# Altium PCB MCISO-P01-V03.PcbDoc
Units mil, origin at the board's own origin, x right, y up, seen from the top; angles counter-clockwise.
Board outline 3153.54 x 4271.65 mil, 2 copper layers (Top Layer, Bottom Layer), stack 61.8 mil thick; 113 components, 80 nets, 444 pads, 6 vias.
Unrouted connection lines stored in the file: 299.
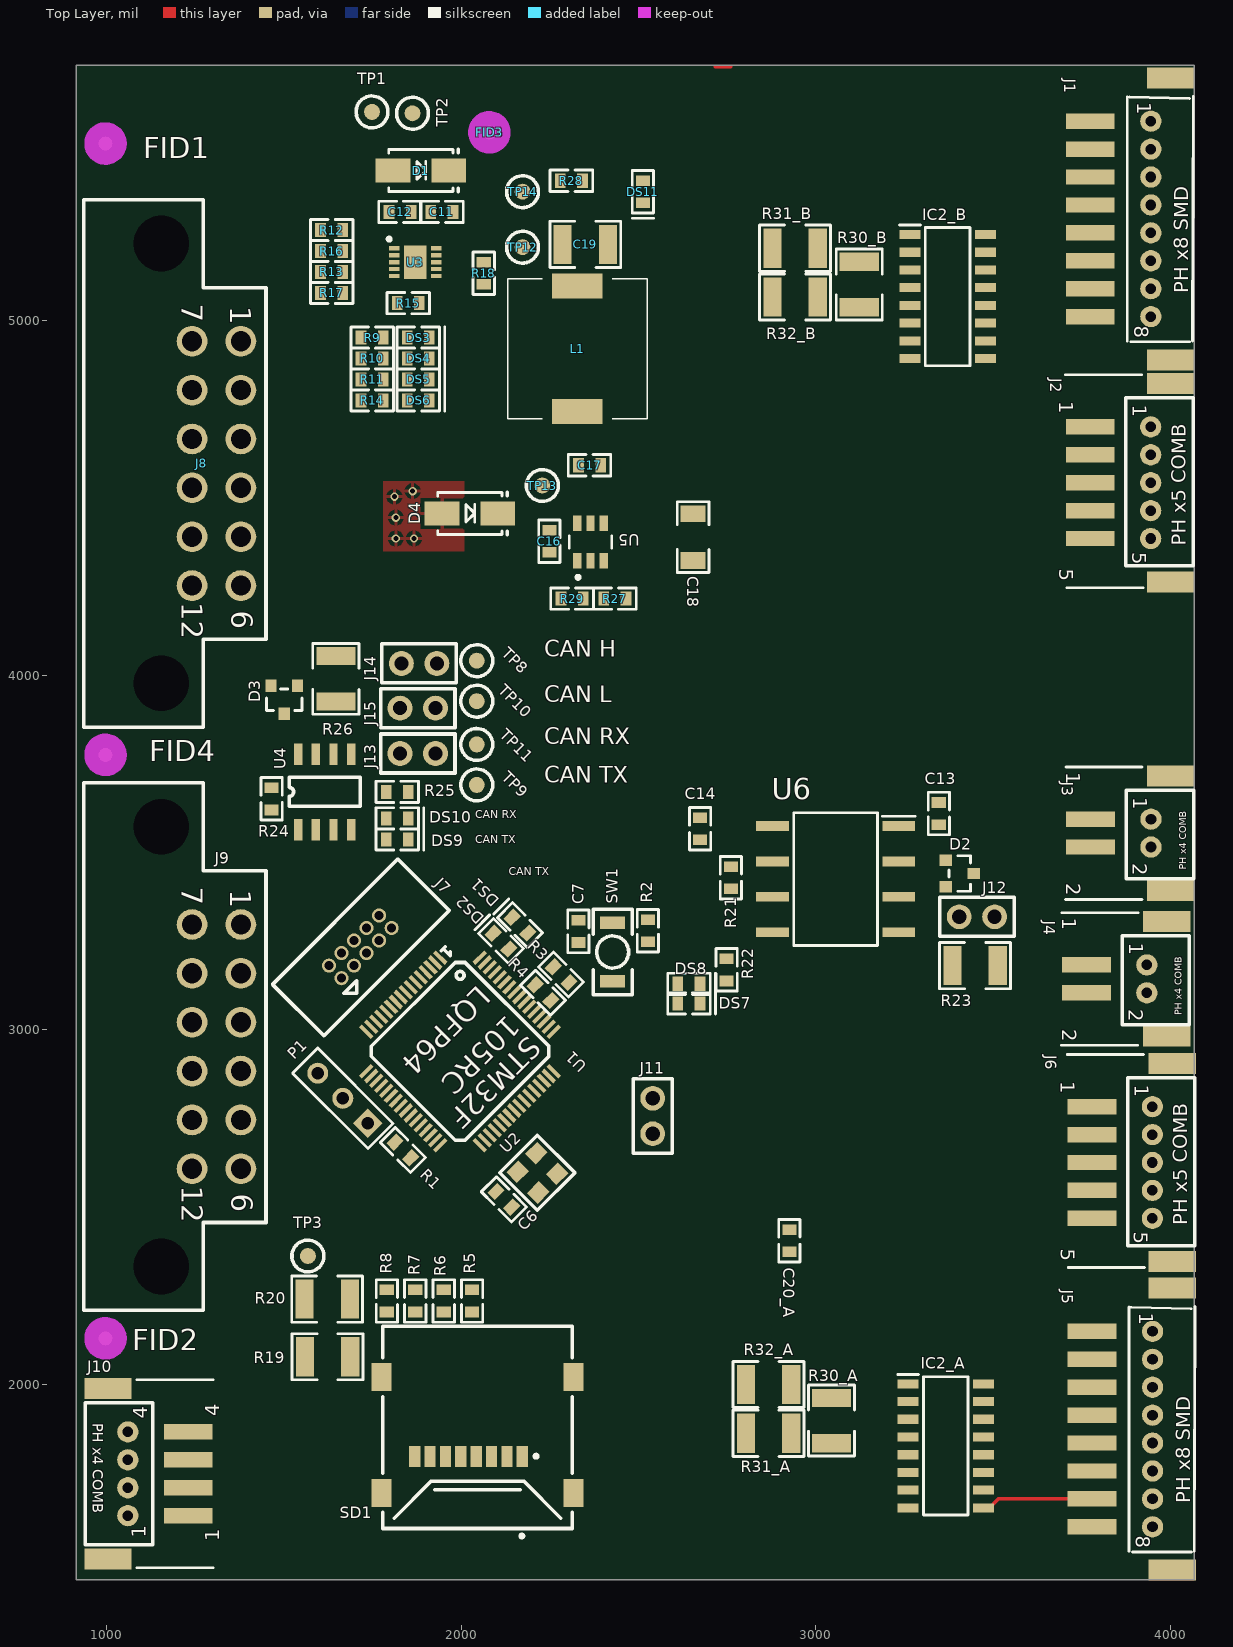
[diagram p0: Top Layer view]
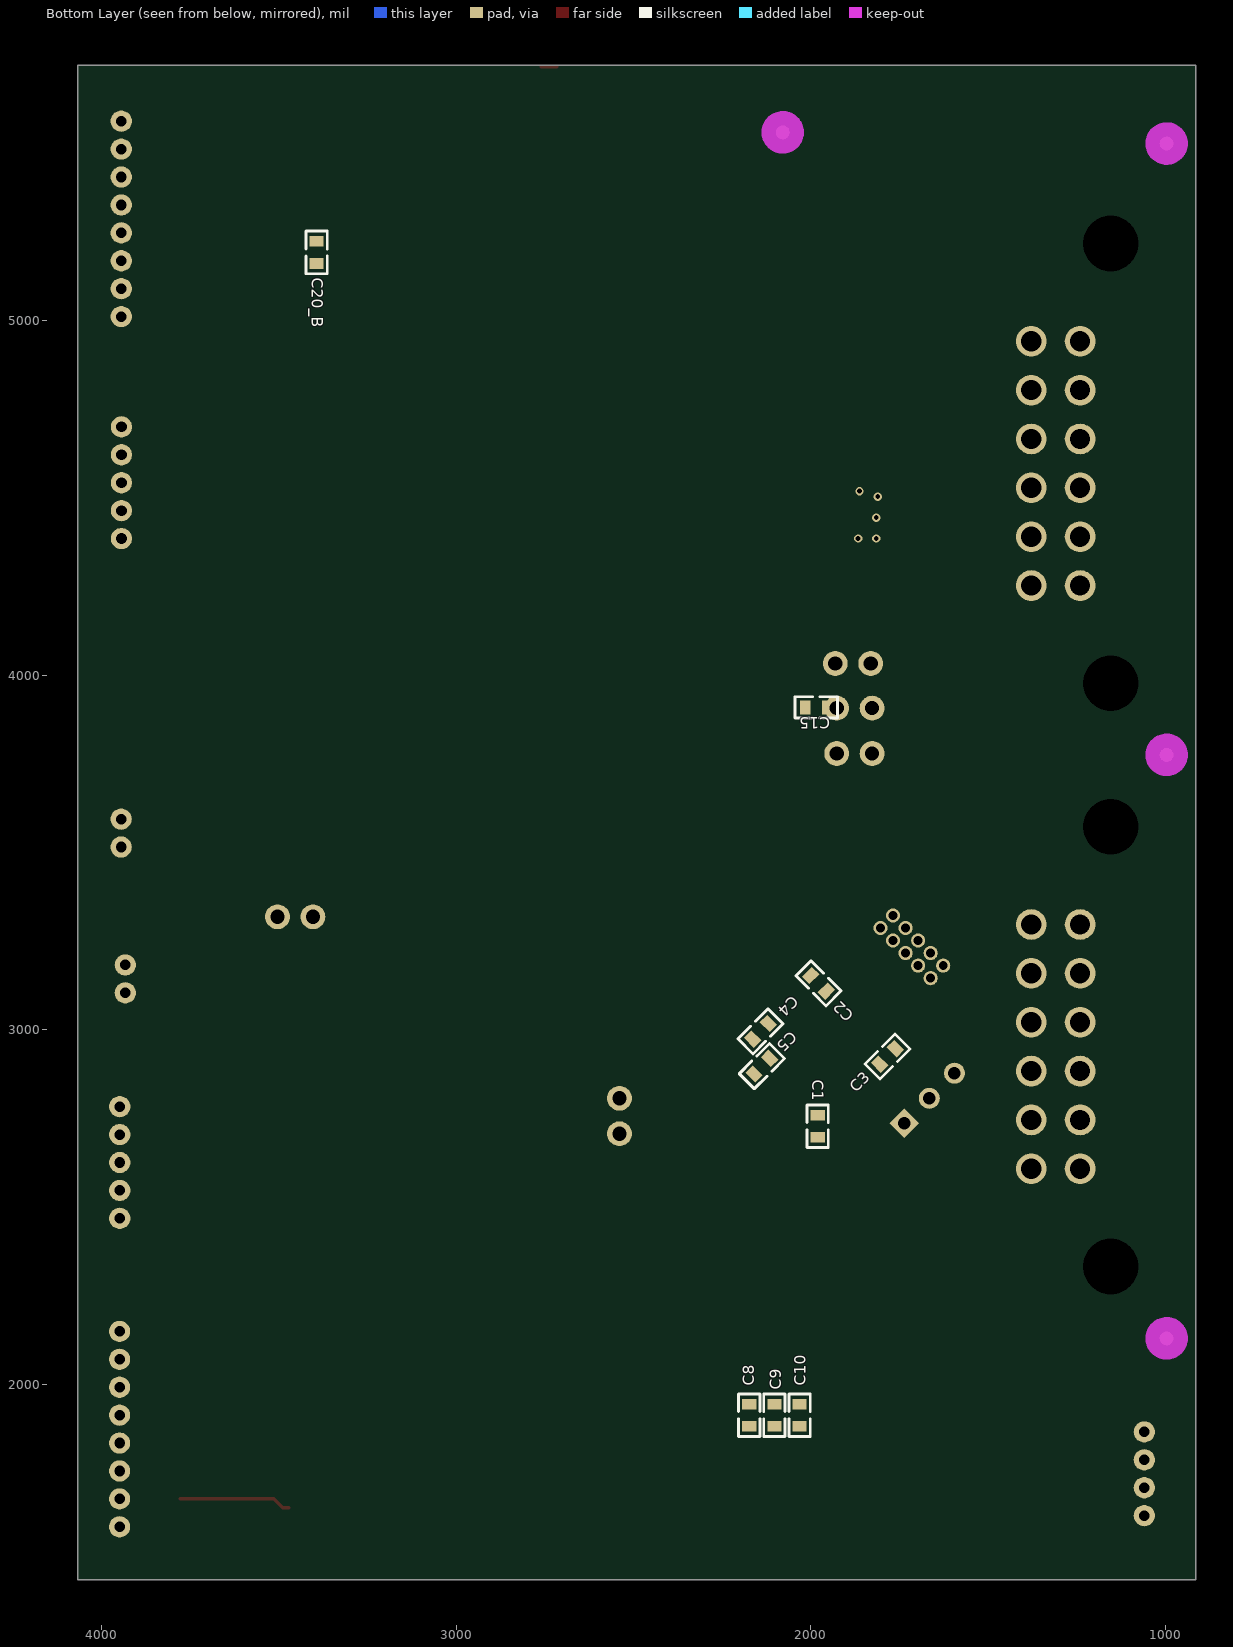
[diagram p1: Bottom Layer view, seen from below]

## Layer stack, top to bottom
Top Solder: solder mask 0.4, Solder Resist, Dk 3.5
Top Layer: signal copper 1.4
Dielectric 1: core 59, Core-043, Dk 4.3
Bottom Layer: signal copper 1.4
Bottom Solder: solder mask 0.4, Solder Resist, Dk 3.5

## Board outline
913.39,1448.82 4066.93,1448.82 4066.93,5720.47 913.39,5720.47

## Design rules (kind name [scope] priority, off if disabled: settings)
Clearance [All] p1: gap=10 ignorepadtopadclearanceinfootprint=FALSE except(0: Arc-Hole Track-Hole SMDPad-Hole THPad-Hole Via-Hole Fill-Hole Poly-Hole Region-Hole Text-Hole; 6: SMDPad-SMDPad; 7: Arc-SMDPad Track-SMDPad)
PolygonConnect [All] p1: connectstyle=Relief reliefconductorwidth=10 reliefentries=4 polygonreliefangle="90 Angle" airgapwidth=10
RoomDefinition B [InComponentClass('B')] p1: confinementstyle=ConfineIn formatcopy=TRUE lockcomponents=FALSE outline 2830.71,4856.68 3531.5,4856.68 3531.5,5326.77 2830.71,5326.77
RoutingVias [All] p1: holewidth=13.78 width=23.62 viastyle="Through Hole" minholewidth=13.78 minwidth=23.62 maxholewidth=13.78 maxwidth=23.62
SolderMaskExpansion [All] p1: expansion=4 istentingtop=FALSE
Width [All] p1: maxlimit=10 minlimit=10 preferedwidth=10
30 further rules are at their usual default settings.

## Classes and differential pairs
component class B: C20_B IC2_B R30_B R31_B R32_B
component class A: C20_A IC2_A R30_A R31_A R32_A
channel class MCISO-S06-V00-HALL_DIFFB: "DIFF A" "DIFF B"
component class U_MCISO-S07-V00-Master-PSU3V3-300mA: C16 C17 C18 C19 D4 DS11 L1 R27 R28 R29 TP12 TP13 TP14 U5
component class U_MCISO-S03-V00-CAN_MAIN: C15 D3 DS9 DS10 J13 J14 J15 R24 R25 R26 TP8 TP9 TP10 TP11 U4
component class U_MCISO-S02-V00-12VProtection: C8 C9 C10 C11 C12 D1 DS3 DS4 DS5 DS6 J8 J9 J10 R5 R6 R7 R8 R9 R10 R11 R12 R13 R14 R15 R16 R17 R18 R19 R20 SD1 TP1 TP2 TP3 U3
component class U_MCISO-S05-V00-CANIsolation: C13 C14 D2 DS7 DS8 J11 J12 R21 R22 R23 U6
component class U_MCISO-S04-V00-Microcontroller: C1 C2 C3 C4 C5 C6 C7 DS1 DS2 J7 P1 R1 R2 R3 R4 SW1 U1 U2
component class MCISO-S01-V00-Master: Connector? FID1 FID2 FID3 FID4 J1 J2 J3 J4 J5 J6 LOGO1 NCM?

## Components (designator, comment, footprint, x,y, rotation, side; value= is the part's Value field where it differs from the comment)
C1 "100nF" CAP_CERAMIC_0603 1980.31,2728.35 r270 bottom
C2 "100nF" CAP_CERAMIC_0603 1977.91,3131.46 r45 bottom
C3 "100nF" CAP_CERAMIC_0603 1783.46,2925.2 r135 bottom
C4 "100nF" CAP_CERAMIC_0603 2141.73,2996.06 r315 bottom
C5 "4u7" CAP_CERAMIC_0603 2137.8,2897.64 r315 bottom
C6 "100nF 100V" CAP_CERAMIC_0603 2119.64,2522.09 r135 top
C7 "100nF 100V" CAP_CERAMIC_0603 2330.01,3277.73 r90 top
C8 "4u7" CAP_CERAMIC_0603 2173.23,1913.39 r270 bottom
C9 "1uF" CAP_CERAMIC_0603 2102.36,1913.39 r270 bottom
C10 "100nF" CAP_CERAMIC_0603 2031.5,1913.39 r270 bottom
C11 "4u7 50V 5%" CAP_CERAMIC_0603 1944.88,5307.09 r0 top
C12 "470nF 50V 5%" CAP_CERAMIC_0603 1826.77,5307.09 r180 top
C13 "4u7" CAP_CERAMIC_0603 3346.46,3610.24 r90 top
C14 "4u7" CAP_CERAMIC_0603 2673.23,3567.19 r90 top
C15 "100nF 100V" CAP_CERAMIC_0603 1984.25,3909.45 r180 bottom
C16 "100nF 50V" CAP_CERAMIC_0603 2248.03,4377.95 r90 top
C17 "100nF 50V" CAP_CERAMIC_0603 2361.22,4592.52 r180 top
C18 "22uF 35V" CAP_CERAMIC_1206 2653.54,4389.76 r270 top
C19 "47uF 16V 1210" CAP_CERAMIC_1210 2349.41,5215.55 r180 top
C20_A "0.1u" CAP_CERAMIC_0603 2925.2,2405.51 r90 top (schematic designator C20)
C20_B "0.1u" CAP_CERAMIC_0603 3393.7,5192.91 r90 bottom (schematic designator C20)
D1 "1N4448WQ-7-F" SMA 1885.55,5423.84 r0 top
D2 "NUP2105L" NUP2105L 3405.51,3440.94 r270 top
D3 "NUP2105L" NUP2105L 1500,3931.1 r180 top
D4 "B260A-13-F" SMA 2023.62,4456.69 r0 top
DS1 "LED Orange" "LED ORANGE 0603" 2165.35,3295.28 r135 top
DS2 "LED Orange" "LED ORANGE 0603" 2111.77,3250.43 r135 top
DS3 "LED Red 0603" "LED RED 0603" 1877.95,4952.76 r0 top
DS4 "LED Red 0603" "LED RED 0603" 1877.95,4893.7 r0 top
DS5 "LED Green 0603" "LED GREEN 0603" 1877.95,4834.65 r0 top
DS6 "LED Green 0603" "LED GREEN 0603" 1877.95,4775.59 r0 top
DS7 "LED Blue 0603" "LED BLUE 0603" 2641.73,3074.8 r0 top
DS8 "LED Blue 0603" "LED BLUE 0603" 2641.73,3129.92 r0 top
DS9 "LED Blue 0603" "LED BLUE 0603" 1818.9,3537.4 r0 top
DS10 "LED Blue 0603" "LED BLUE 0603" 1818.9,3596.46 r0 top
DS11 "LED Green 0603" "LED GREEN 0603" 2511.81,5364.17 r270 top
FID1 "Fiducial 1MM" "FIDUCIAL 1MM" 996.06,5500 r0 top
FID2 "Fiducial 1MM" "FIDUCIAL 1MM" 996.06,2129.92 r90 top
FID3 "Fiducial 1MM" "FIDUCIAL 1MM" 2078.74,5531.5 r90 top
FID4 "Fiducial 1MM" "FIDUCIAL 1MM" 996.06,3775.59 r90 top
IC2_A "AM26LS32ACDR" SOIC127P600X175-16N 3366.14,1826.77 r0 top (schematic designator IC2)
IC2_B "AM26LS32ACDR" SOIC127P600X175-16N 3371.42,5068.31 r0 top (schematic designator IC2)
J1 "JST PH 8x Right comb" "JST PH 8X RIGHT SMD" 4059.06,5366.14 r270 top
J2 "JST PH 5x RIGHT COMB" "JST PH 5X RIGHT COMB" 4059.06,4582.68 r270 top
J3 "JST PH 2x RIGHT COMB" "JST PH 2X RIGHT COMB" 4059.88,3476.38 r270 top
J4 "JST PH 2x RIGHT COMB" "JST PH 2X RIGHT COMB" 4048.17,3065.12 r270 top
J5 "JST PH 8x Right comb" "JST PH 8X RIGHT SMD" 4063.82,1952.76 r270 top locked
J6 "JST PH 5x RIGHT COMB" "JST PH 5X RIGHT COMB" 4063.82,2665.35 r270 top
J7 "IDC 10P 2x5 1.27mm" "IDC 1.27MM 10P" 1714.68,3234.29 r45 top
J8 "MX120G" MX120G 1377.95,4597.75 r270 top
J9 "MX120G" MX120G 1377.95,2952.76 r270 top
J10 "JST PH 4x RIGHT COMB" "JST PH 4X RIGHT COMB" 944.06,1748.03 r90 top
J11 "Jumper 2Way Pins" JUMPER_2WAY_PIN 2539.37,2707.09 r270 top
J12 "Jumper 2Way Pins" JUMPER_2WAY_PIN 3503.94,3318.9 r0 top
J13 "Jumper 2Way Pins" JUMPER_2WAY_PIN 1826.77,3779.53 r180 top
J14 "Jumper 2Way Pins" JUMPER_2WAY_PIN 1930.71,4033.46 r0 top
J15 "Jumper 2Way Pins" JUMPER_2WAY_PIN 1826.77,3907.48 r180 top
L1 "SRU1048-470Y" SRU1048470Y 2326.77,4921.26 r90 top
LOGO1 "50mm Wide QUTMS Logo" "QUTMS LOGO 50MM" 5590.55,2661.42 r90 top
P1 "Header 3" HDR1X3 1736.07,2736.38 r135 top
R1 "10k 1% 0603" RES_THINFILM_0603 1834.65,2661.42 r135 top
R2 "4k7" RES_THINFILM_0603 2525.87,3279.7 r270 top
R3 "330R" RES_THINFILM_0603 2281.06,3155.95 r315 top
R4 "330R" RES_THINFILM_0603 2229.88,3104.76 r315 top
R5 "220R" RES_THINFILM_0603 2030.21,2235.48 r270 top
R6 "220R" RES_THINFILM_0603 1949.99,2235.48 r270 top
R7 "220R" RES_THINFILM_0603 1869.77,2235.48 r270 top
R8 "220R" RES_THINFILM_0603 1789.56,2235.48 r270 top
R9 "4k7 5% 0603" RES_THINFILM_0603 1748.03,4952.76 r180 top
R10 "4k7 5% 0603" RES_THINFILM_0603 1748.03,4893.7 r180 top
R11 "4k7 5% 0603" RES_THINFILM_0603 1748.03,4834.65 r180 top
R12 "2M2 1%" RES_THINFILM_0603 1633.86,5255.91 r180 top
R13 "2M2 1%" RES_THINFILM_0603 1633.86,5137.8 r180 top
R14 "4k7 5% 0603" RES_THINFILM_0603 1748.03,4775.59 r180 top
R15 "150k 5% 0603" RES_THINFILM_0603 1850.11,5049.82 r180 top
R16 "390k 5%" RES_THINFILM_0603 1633.86,5196.85 r0 top
R17 "240k 5%" RES_THINFILM_0603 1633.86,5078.74 r0 top
R18 "1k 5% 0603" RES_THINFILM_0603 2062.99,5133.86 r270 top
R19 "22R" RES_THINFILM_1210 1622.28,2078.08 r0 top
R20 "22R" RES_THINFILM_1210 1621.3,2240.48 r0 top
R21 "330R" RES_THINFILM_0603 2759.84,3429.39 r270 top
R22 "330R" RES_THINFILM_0603 2748.03,3169.29 r270 top
R23 "120R 1% 1210" RES_THINFILM_1210 3448.82,3181.1 r0 top
R24 "330R" RES_THINFILM_0603 1464.57,3651.57 r270 top
R25 "330R" RES_THINFILM_0603 1818.9,3671.26 r0 top
R26 "120R 1% 1210" RES_THINFILM_1210 1645.67,3990.16 r270 top
R27 "64k9 1%" RES_THINFILM_0603 2433.07,4216.54 r0 top
R28 "1k" RES_THINFILM_0603 2310.22,5394.99 r180 top
R29 "19k6 1%" RES_THINFILM_0603 2312.01,4216.54 r0 top
R30_A "120R" RES_THINFILM_1210 3043.94,1897.99 r270 top (schematic designator R30)
R30_B "120R" RES_THINFILM_1210 3122.05,5102.36 r90 top (schematic designator R30)
R31_A "120R" RES_THINFILM_1210 2866.14,1862.2 r180 top (schematic designator R31)
R31_B "120R" RES_THINFILM_1210 2940.94,5204.72 r180 top (schematic designator R31)
R32_A "120R" RES_THINFILM_1210 2866.14,2000 r180 top (schematic designator R32)
R32_B "120R" RES_THINFILM_1210 2940.94,5066.93 r180 top (schematic designator R32)
SD1 "47219-2001" 47219-2001 2045.28,1857.51 r180 top
SW1 "B3U-1000P" "BTN B3U-1000P" 2426.46,3219.66 r90 top
TP1 "TestPoint" TESTPOINTSMD 1747.75,5589.19 r90 top
TP2 "TestPoint" TESTPOINTSMD 1861.92,5585.25 r90 top
TP3 "TestPoint" TESTPOINTSMD 1566.93,2362.2 r270 top
TP8 "TestPoint_SMD" TESTPOINTSMD 2043.31,4041.34 r0 top
TP9 "TestPoint_SMD" TESTPOINTSMD 2043.31,3690.94 r270 top
TP10 "TestPoint_SMD" TESTPOINTSMD 2043.31,3927.17 r90 top
TP11 "TestPoint_SMD" TESTPOINTSMD 2043.31,3805.12 r90 top
TP12 "TestPoint_SMD" TESTPOINTSMD 2172.24,5207.68 r180 top
TP13 "TestPoint_SMD" TESTPOINTSMD 2228.35,4535.43 r180 top
TP14 "TestPoint_SMD" TESTPOINTSMD 2172.24,5364.17 r180 top
U1 "STM32F105RC" STM32F105RC 1940.54,3204.01 r225 top
U2 "DSC1001DI1-008.0000T" DSC1001DI1-008.0000TCT-ND 2214.13,2596.89 r45 top
U3 "MAX17612A" MAX17612A 1870.08,5165.35 r0 top
U4 "SN65HVD233" SN65HVD233DR 1614.17,3671.26 r90 top
U5 "LMR14010ADDCR" FP-DDC0006A-MFG 2364.17,4375.98 r90 top
U6 "ISO1050DUBR" SOP254P1040X485-8N 3055.12,3425.2 r180 top

## Footprints (in the part's own frame and the unit in brackets; to place one, negate y for a bottom-side part, rotate by r counter-clockwise, add the part's x,y. Pads: shape width x height; smd on the part's side, far side on the other; paste and mask are expansions set on the pad)
47219-2001 [mm]
  rect 0.8x1.5 smd: 1(-3.205,1.55) 2(-2.105,1.55) 3(-1.005,1.55) 4(0.095,1.55) 5(1.195,1.55) 6(2.295,1.55) 7(3.395,1.55) 8(4.495,1.55)
  rect 1.45x2 smd: 9(6.875,4.15) 10(6.875,-4.15) 11(-6.875,-4.15) 12(-6.875,4.15)
  silkscreen extent -6.8,-7.8 6.8,7.36, body extent -7.3,-7.79 7.3,6.71, height 1.91
"BTN B3U-1000P" [mil] "OMRON B3U-1000P"
  rect 35x70 smd: 1(-82.68,0) 2(82.68,0)
  silkscreen extent -120,-55 120,55, body extent -79,-49 79,49, height 63
CAP_CERAMIC_0603 [mil]
  rect 30x40 smd: 1(-31.24,0) 2(31.24,0)
  silkscreen extent -60,-30 60,30, body extent -31,-16 31,16, height 33
CAP_CERAMIC_1206 [mil]
  rect 47x71 smd: 1(-66.08,0) 2(66.08,0)
  silkscreen extent -100,-45 100,45, body extent -63,-31 63,32, height 53
CAP_CERAMIC_1210 [mm]
  rect 1.3x2.8 smd: 1(-1.625,0) 2(1.625,0)
  silkscreen extent -2.54,-1.65 2.54,1.65, body extent -1.6,-1.25 1.6,1.25, height 1.35
DSC1001DI1-008.0000TCT-ND [mil]
  rect 48x43 smd: 1(-37.4,41.34) 2(37.4,41.34) 3(37.4,-41.34) 4(-37.4,-41.34)
  silkscreen extent -75,-75 75,75, body extent -49,-63 49,63, height 33
"FIDUCIAL 1MM" [mm]
  round 1 smd mask+1: 1(0,0)
  round 1 smd far side mask+1: 1(0,0)
  Keep-Out Layer circle w1.524: c0,0 r0.762
FP-DDC0006A-MFG [mm]
  rect 1.1x0.6 smd paste+0 mask+0: 1(-1.35,0.95) 2(-1.35,0) 3(-1.35,-0.95) 4(1.35,-0.95) 5(1.35,0) 6(1.35,0.95)
  silkscreen extent -2.65,-1.53 0.43,1.53, body extent -2,-1.63 2,1.63, height 0.25
HDR1X3 [mm] "Connector; Header; 3 Position"
  rect 1.5x1.5 hole 0.9: 1(0,0)
  round 1.5 hole 0.9: 2(2.54,0) 3(5.08,0)
  silkscreen extent -1.27,-1.27 6.35,1.27
"IDC 1.27MM 10P" [mil]
  round 40 hole 25: 1(-100,-25) 2(-100,25) 3(-50,-25) 4(-50,25) 5(0,-25) 6(0,25) 7(50,-25) 8(50,25) 9(100,-25) 10(100,25)
  silkscreen extent -250,-105 250,100, body extent -249,-104 249,100, height 214
"JST PH 2X RIGHT COMB" [mm]
  round 1.524 hole 0.762: 1(-3,-2.921) 2(-1,-2.921)
  rect 1.1x3.5 smd: 1(-3,-7.25) 2(-1,-7.25)
  rect 1.5x3.4 smd: M(-6.1,-1.5) M(2.1,-1.5)
  silkscreen extent -6.73,-9.04 2.75,0.13, body extent -6.17,-8.03 1.97,0.23, height 5.89
"JST PH 4X RIGHT COMB" [mm]
  round 1.524 hole 0.762: 1(-3,-2.921) 2(-1,-2.921) 3(1,-2.921) 4(3,-2.921)
  rect 1.1x3.5 smd: 1(-3,-7.25) 2(-1,-7.25) 3(1,-7.25) 4(3,-7.25)
  rect 1.5x3.4 smd: M(-6.1,-1.5) M(6.1,-1.5)
  silkscreen extent -6.73,-9.02 6.73,0.13, body extent -6.07,-8.2 6.07,0.06, height 5.89
"JST PH 5X RIGHT COMB" [mm]
  round 1.524 hole 0.762: 1(-3,-2.921) 2(-1,-2.921) 3(1,-2.921) 4(3,-2.921) 5(5,-2.921)
  rect 1.1x3.5 smd: 1(-3,-7.25) 2(-1,-7.25) 3(1,-7.25) 4(3,-7.25) 5(5,-7.25)
  rect 1.5x3.4 smd: M(-6.1,-1.5) M(8.1,-1.5)
  silkscreen extent -6.73,-9.02 8.53,0.13, body extent -6,-8.03 8.15,0.23, height 5.89
"JST PH 8X RIGHT SMD" [mm]
  round 1.524 hole 0.762: 1(-5,-2.91) 2(-3,-2.91) 3(-1,-2.91) 4(1,-2.91) 5(3,-2.91) 6(5,-2.91) 7(7,-2.91) 8(9,-2.91)
  rect 1.1x3.5 smd: 1(-5,-7.25) 2(-3,-7.25) 3(-1,-7.25) 4(1,-7.25) 5(3,-7.25) 6(5,-7.25) 7(7,-7.25) 8(9,-7.25)
  rect 1.5x3.4 smd: M(-8.1,-1.5) M(12.1,-1.5)
  silkscreen extent -6.78,-4.6 10.8,0.13, body extent -8.12,-8 12.03,0.25, height 5.89
JUMPER_2WAY_PIN [mil]
  round 70 hole 40: 1(-100,0) 2(0,0)
  silkscreen extent -155,-55 55,55, body extent -142,-48 42,47, height 332
"LED BLUE 0603" [mil]
  rect 30x40 smd: 1(-31.24,0) 2(31.24,0)
  silkscreen extent -60,-30 75,30, body extent -40,-20 40,20, height 30
"LED GREEN 0603" [mil]
  rect 30x40 smd: 1(-31.24,0) 2(31.24,0)
  silkscreen extent -60,-30 75,30, body extent -40,-20 40,20, height 30
"LED ORANGE 0603" [mil]
  rect 30x40 smd: 1(-31.24,0) 2(31.24,0)
  silkscreen extent -60,-30 75,30, body extent -40,-20 40,20, height 30
"LED RED 0603" [mil]
  rect 30x40 smd: 1(-31.24,0) 2(31.24,0)
  silkscreen extent -60,-30 75,30, body extent -40,-20 40,20, height 30
MAX17612A [mm]
  rect 0.75x0.3 smd: 1(-1.5,1) 2(-1.5,0.5) 3(-1.5,0) 4(-1.5,-0.5) 5(-1.5,-1) 6(1.5,-1) 7(1.5,-0.5) 8(1.5,0) 9(1.5,0.5) 10(1.5,1)
  rect 1.6x2.4 smd: 11(0,0)
  silkscreen extent -2,1.53 -1.75,1.77, body extent -1.55,-1.5 1.55,1.5, height 0.8
MX120G [mm]
  round 2.2 hole 1.45: 1(-8.75,0) 2(-5.25,0) 3(-1.75,0) 4(1.75,0) 5(5.25,0) 6(8.75,0) 7(-8.75,-3.5) 8(-5.25,-3.5) 9(-1.75,-3.5) 10(1.75,-3.5) 11(5.25,-3.5) 12(8.75,-3.5)
  round 0 hole 4 mask+0.254: NC(-15.75,-5.7) NC(15.75,-5.7)
  silkscreen extent -18.9,-11.25 18.9,1.8, body extent -18.78,-32.1 18.58,0.36, height 24.48
NUP2105L [mm]
  rect 0.8x0.9 smd: 1(-0.95,-1) 2(0.95,-1) 3(0,1)
  silkscreen extent -1.27,-0.76 1.27,0.76, body extent -1.45,-1.22 1.45,1.18, height 1
"QUTMS LOGO 50MM" [mil]
  silkscreen extent 0,0 1970,660
RES_THINFILM_0603 [mil]
  rect 30x40 smd: 1(-31.24,0) 2(31.24,0)
  silkscreen extent -60,-30 60,30, body extent -31,-16 32,16, height 18
RES_THINFILM_1210 [mm]
  rect 1.3x2.8 smd: 1(-1.625,0) 2(1.625,0)
  silkscreen extent -2.54,-1.65 2.54,1.65, body extent -1.6,-1.25 1.6,1.25, height 0.6
SMA [mm]
  rect 2.5x1.7 smd: A(-2,0) K(2,0)
  silkscreen extent -2.3,-1.52 2.67,1.52, body extent -2.52,-1.46 2.52,1.46, height 2.4
SN65HVD233DR [mm]
  rect 1.55x0.6 smd: 1(-2.7,1.903) 2(-2.7,0.633) 3(-2.7,-0.637) 4(-2.7,-1.907) 5(2.7,-1.907) 6(2.7,-0.637) 7(2.7,0.633) 8(2.7,1.903)
  silkscreen extent -1.04,-2.54 1.04,2.54, body extent -3.01,-2.45 3.01,2.45, height 1.63
SOIC127P600X175-16N [mm]
  rect 1.5x0.65 smd: 1(-2.7,4.445) 2(-2.7,3.175) 3(-2.7,1.905) 4(-2.7,0.635) 5(-2.7,-0.635) 6(-2.7,-1.905) 7(-2.7,-3.175) 8(-2.7,-4.445) 9(2.7,-4.445) 10(2.7,-3.175) 11(2.7,-1.905) 12(2.7,-0.635) 13(2.7,0.635) 14(2.7,1.905) 15(2.7,3.175) 16(2.7,4.445)
  silkscreen extent -3.45,-4.95 1.6,5.12, body extent -3,-4.95 3,4.95, height 1.75
SOP254P1040X485-8N [mm]
  rect 2.35x0.7 smd: 1(-4.525,-3.81) 2(-4.525,-1.27) 3(-4.525,1.27) 4(-4.525,3.81) 5(4.525,3.81) 6(4.525,1.27) 7(4.525,-1.27) 8(4.525,-3.81)
  silkscreen extent -5.7,-4.75 3,4.75, body extent -5.2,-4.75 5.2,4.75, height 4.85
SRU1048470Y [mm]
  rect 1.8x3.6 smd: 1(-4.5,0) 2(4.5,0)
  silkscreen extent -5,-5 5,5, body extent -5,-5 5,5, height 4.8
STM32F105RC [mm]
  rect 0.3x1.2 smd: 1(0,0) 2(0.5,0) 3(1,0) 4(1.5,0) 5(2,0) 6(2.5,0) 7(3,0) 8(3.5,0) 9(4,0) 10(4.5,0) 11(5,0) 12(5.5,0) 13(6,0) 14(6.5,0) 15(7,0) 16(7.5,0) 33(7.5,11.5) 34(7,11.5) 35(6.5,11.5) 36(6,11.5) 37(5.5,11.5) 38(5,11.5) 39(4.5,11.5) 40(4,11.5) 41(3.5,11.5) 42(3,11.5) 43(2.5,11.5) 44(2,11.5) 45(1.5,11.5) 46(1,11.5) 47(0.5,11.5) 48(0,11.5)
  rect 1.2x0.3 smd: 17(9.5,2) 18(9.5,2.5) 19(9.5,3) 20(9.5,3.5) 21(9.5,4) 22(9.5,4.5) 23(9.5,5) 24(9.5,5.5) 25(9.5,6) 26(9.5,6.5) 27(9.5,7) 28(9.5,7.5) 29(9.5,8) 30(9.5,8.5) 31(9.5,9) 32(9.5,9.5) 49(-2,9.5) 50(-2,9) 51(-2,8.5) 52(-2,8) 53(-2,7.5) 54(-2,7) 55(-2,6.5) 56(-2,6) 57(-2,5.5) 58(-2,5) 59(-2,4.5) 60(-2,4) 61(-2,3.5) 62(-2,3) 63(-2,2.5) 64(-2,2)
  silkscreen extent -1,-0.3 8.5,10.5, body extent -2.25,-0.25 9.75,11.75, height 1.6
TESTPOINTSMD [mil]
  round 45 smd: 1(0,0)
  silkscreen extent -45,-45 45,45

## Part data
C1 C2 C3 C4 C10 C16 C17: library part "100nF 50V 5% X7R 0603", "Capacitor, Ceramic, SMD, 100nF, 50V, 5%, X7R, 0603"
C5 C8 C11 C13 C14 C20_A C20_B: library part "4u7 50V 5% X7R 0603", "Capacitor, Ceramic, SMD, 4u7, 50V, 5%, X7R, 0603"
C6 C7 C15: library part "100nF 100V 5% X7R 0603", "Capacitor, Ceramic, SMD, 100nF, 100V, 5%, X7R, 0603"
C9: library part "1uF 25V 5% X7R 0603", "Capacitor, Ceramic, SMD, 1uF, 25V, 5%, X7R, 0603"
C12: library part "470nF 50V 5% X7R 0603", "Capacitor, Ceramic, SMD, 470nF, 50V, 5%, X7R, 0603"
C18: library part "22uF 35V 20% X5R 1206", "22µF ±20% 35V Ceramic Capacitor X5R 1206 (3216 Metric)", ComponentLink1Description=Digikey, ComponentLink1URL=https://www.digikey.com.au/product-detail/en/tdk-corporation/C3216X5R1V226M160AC/445-8045-1-ND/2792165, ComponentLink2Description=Datasheet, ComponentLink2URL=https://product.tdk.com/info/en/catalog/datasheets/mlcc_commercial_general_en.pdf
C19: library part "47uF 16V 10% X7R 1210", "Capacitor, Ceramic, SMD, 47uF, 16V, 5%, X7R, 1210"
D1: "Diode, SMD, 75V, 5%, 250mA, SOD123", Average Rectified Current=150mA, Forward Voltage=1V, Manufacturer="ON Semiconductor / Fairchild", Manufacturer Part Number=1N914BWS, Max Forward Surge Current (Ifsm)=4A, Max Operating Temperature=150°C, Max Repetitive Reverse Voltage (Vrrm)=75V, Max Reverse Leakage Current=5uA, Min Operating Temperature=-55°C, Package Quantity=1, Power Dissipation=200mW, Category="Rectifier Diodes", Contact Plating=Tin,Matte, Element Configuration=Single, Forward Current=150mA, Height=1mm, Lead Free="Lead Free", Length=1.8mm, Max Reverse Voltage (DC)=75V, Mount="Surface Mount", Number of Pins=2, Packaging="Tape and Reel", Peak Reverse Current=5uA, Radiation Hardening=No, REACH SVHC="No SVHC", Recovery Time=4ns, Reverse Recovery Time=4ns, Reverse Voltage=75V, Weight=0.0276g, Width=1.35mm
D4: "Diode, Schottky Barrier Rectifier, 60 V, 2 A, B260A-13-F"
DS1 DS2: library part "LED ORANGE 0603"
DS7 DS8 DS9 DS10: library part "LED BLUE 0603"
IC2_A IC2_B: "Integrated Circuit", Manufacturer_Name="Texas Instruments", Mouser Part Number=595-AM26LS32ACDR, Arrow Part Number=AM26LS32ACDR, Arrow Price/Stock=https://www.arrow.com/en/products/am26ls32acdr/texas-instruments, Datasheet Link=http://www.ti.com/lit/gpn/am26ls32ac, Height=1.75mm, Manufacturer_Part_Number=AM26LS32ACDR, Mouser Price/Stock=https://www.mouser.co.uk/ProductDetail/Texas-Instruments/AM26LS32ACDR/?qs=L4Mc90zKIpjEhSPPcfdoEw%3D%3D
J8 J9: "MX120G with standard connector layout"
J11 J12 J13 J14 J15: library part "Jumper 2Way Side Pins", "Jumper 2Way Side Pins"
L1: "Inductor", Manufacturer_Name=Bourns, Mouser Part Number=652-SRU1048-470Y, Arrow Part Number=SRU1048-470Y, Arrow Price/Stock=https://www.arrow.com/en/products/sru1048-470y/bourns, Datasheet Link=https://componentsearchengine.com/Datasheets/2/SRU1048-470Y.pdf, Height=5.1mm, Manufacturer_Part_Number=SRU1048-470Y, Mouser Price/Stock=https://www.mouser.co.uk/ProductDetail/Bourns/SRU1048-470Y?qs=q9ZR8LvBB%2Fso%2FHnDojTedA%3D%3D
LOGO1: library part "QUTMS Logo 50mm"
P1: "Header, 3-Pin", LatestRevisionDate=17-Jul-2002, LatestRevisionNote="Re-released for DXP Platform.", Publisher="Altium Limited"
R1: library part "20k 1% 0603", "Resistor, SMD, 20k, 0.1W, 5%, 0603"
R2: library part "4k7 5% 0603", "Resistor, SMD, 4k7, 0.1W, 5%, 0603"
R3 R4 R21 R22 R24 R25: library part "330R 5% 0603", "Resistor, SMD, 330R, 0.1W, 5%, 0603"
R5 R6 R7 R8: library part "220R 5% 0603", "Resistor, SMD, 220R, 0.1W, 5%, 0603"
R9 R10 R11 R14: "Resistor, SMD, 4k7, 0.1W, 5%, 0603"
R12 R13: library part "2M2 1% 0603", "Resistor, SMD, 2M2, 0.125W, 1%, 0603"
R15: library part "150k 5%, 0603", "Resistor, SMD, 150k, 0.1W, 5%, 0603"
R16: library part "390k 5% 0603", "Resistor, SMD, 390k, 0.1W, 5%, 0603"
R17: library part "240k 5% 0603", "Resistor, SMD, 240k, 0.1W, 5%, 0603"
R18: "Resistor, SMD, 1k, 0.1W, 5%, 0603"
R19 R20 R30_A R30_B R31_A R31_B R32_A R32_B: library part "120R 1% 1210", "Resistor, SMD, 120R, 0.25W, 1%, 1210"
R23 R26: "Resistor, SMD, 120R, 0.25W, 1%, 1210"
R27: library part "64k9 1% 0603", "Resistor, SMD, 64k9, 0.1W, 5%, 0603"
R28: library part "1k 5% 0603", "Resistor, SMD, 1k, 0.1W, 5%, 0603"
R29: library part "19k6 1% 0603", "Resistor, SMD, 19k6, 0.1W, 5%, 0603"
SD1: "MicroSD Card Connector, Hinge Type, -40 to 85 degC, 8-Pin SMD, RoHS, Tape and Reel"
SW1: library part "BTN B3U-1000P", "Omron B3U-1000P Ultra Miniture Switch", ComponentLink1Description=LCSC, ComponentLink1URL=https://lcsc.com/product-detail/Tactile-Switches_BRIGHT-TSA063G50-250_C294565.html
U1: "ARM® Cortex®-M3 STM32F1 Microcontroller IC 32-Bit 72MHz 256KB (256K x 8) FLASH 64-LQFP (10x10)", ComponentLink1Description=Digikey, ComponentLink1URL=https://www.digikey.com.au/product-detail/en/stmicroelectronics/STM32F105RCT6TR/497-17397-1-ND/8024118, ComponentLink2Description=Datasheet, ComponentLink2URL=https://www.st.com/content/ccc/resource/technical/document/datasheet/e4/f3/1a/89/5a/02/46/ae/CD00220364.pdf/files/CD00220364.pdf/jcr:content/translations/en.CD00220364.pdf
U2: "on 8MHz XO (Standard) CMOS Oscillator 1.8 ~ 3.3V Standby (Power Down) 4-SMD, No Lead"
U3: "4.5V to 60V, 250mA Current-Limiter with OV, UV, and Reverse Protection", ComponentLink1Description=Datasheet, ComponentLink1URL=https://datasheets.maximintegrated.com/en/ds/MAX17612A-MAX17612C.pdf
U5: library part CMP-04918-000056-1, "IC REG BUCK ADJ 1A TSOT23-6", Manufacturer="Texas Instruments", Max Junction Temp=+125°C, Max Supply Voltage=40V, Min Supply Voltage=4V, Output Current=1A, Package=DDC0006A, Switching Frequency=700kHz, Temperature="-40°C to +125°C", Temperature Range Low=-40°C, Automotive=No, Category=IC, ComponentLink2Description=Datasheet, ComponentLink2URL=https://www.ti.com/lit/ds/symlink/lmr14010a.pdf, Device Class L1="Integrated Circuits (ICs)", Device Class L2="Power Management ICs", Device Class L3="Voltage Regulators - Switching", Digikey Description="IC REG BUCK ADJ 1A TSOT23-6", Height=1.1mm, Ipc Land Pattern Name=SOT95P280X110-6, Lead Free=Yes, Manufacturer Part Number=LMR14010ADDCR, Max Duty Cycle=96%, Mouser Description="4-V to 40-V, 1-A Step-Down Converter With High Efficiency Eco-Mode 6-SOT-23-THIN -40 to 125", Number Of Outputs=1, Octopart=https://octopart.com/lmr14010addcr-texas+instruments-90753290, Output Type=AdjustableProgrammable, RoHS=TRUE, Standoff Height=0mm, Switching Topology=Buck, Temperature Range High=+125°C
U6: "Integrated Circuit", Manufacturer_Name="Texas Instruments", Mouser Part Number=595-ISO1050DUBR, Arrow Part Number=ISO1050DUBR, Arrow Price/Stock=https://www.arrow.com/en/products/iso1050dubr/texas-instruments, Datasheet Link=http://www.ti.com/lit/ds/symlink/iso1050.pdf, Height=4.85mm, Manufacturer_Part_Number=ISO1050DUBR, Mouser Price/Stock=https://www.mouser.co.uk/ProductDetail/Texas-Instruments/ISO1050DUBR?qs=IK5e5L0zOXhhp9hdAolE%252BA%3D%3D
D2 D3: ComponentLink1Description=Datasheet, ComponentLink1URL=https://www.onsemi.cn/PowerSolutions/document/NUP2105L-D.PDF, ComponentLink2Description=LCSC, ComponentLink2URL=https://lcsc.com/product-detail/TVS_ON-Semiconductor-NUP2105LT1G_C14486.html, ComponentLink3Description=Digikey, ComponentLink3URL=https://www.digikey.com.au/product-detail/en/on-semiconductor/SZNUP2105LT1G/SZNUP2105LT1GOSCT-ND/3487669
U4: ComponentLink1Description=LCSC, ComponentLink1URL=https://lcsc.com/product-detail/CAN-ICs_Texas-Instruments_SN65HVD233DRG4_Texas-Instruments-Texas-Instruments-SN65HVD233DRG4_C61643.html, ComponentLink2Description=Digikey, ComponentLink2URL=https://www.digikey.com.au/product-detail/en/texas-instruments/SN65HVD233DR/296-35967-1-ND/4134960, ComponentLink3Description=Datasheet, ComponentLink3URL=https://www.ti.com/lit/ds/symlink/sn65hvd233.pdf?ts=1588560888178, ComponentLink4Description="Ti Product Page", ComponentLink4URL=https://www.ti.com/product/SN65HVD233

## Via types
v1: diameter 23.62, hole 13.78, Top Layer to Bottom Layer, 6 vias

## Nets (pads, with @x,y where several pads share a name; then routed paths per layer and width w, separated by ;. In a path a pad name is that pad's centre, name@x,y a point inside that pad or via, vN(x,y) a via of type N, cw(c..) or ccw(c..) an arc to the next point about the centre after c; other vN are vias at no path point)
3V3: C1.2 C2.2 C3.2 C4.2 C5.2 C6.2 C8.2 C9.2 C10.2 C15.2 C19.2 J7.1 J11.1 J13.1 J15.1 L1.2 R2.2 R3.2 R4.2 R27.2 R28.2 SD1.1 SD1.4 TP12.1 U1.1 U1.13 U1.19 U1.32 U1.48 U1.64 U2.1 U2.4 U4.3
5V: C14.2 U6.8
"5V INV A": C20_B.2 IC2_B.16 J1.1 J2.1
"5V INV B": C20_A.2 IC2_A.16 J5.1 J6.1
"5V ISO": C13.2 U6.1
12V: C12.2 J8.4 J8.5 J8.10 J8.11 J9.4 J9.5 J9.10 J9.11 R9.2 R10.2 R11.2 R12.2 R13.2 TP1.1 U3.1
12VP: C11.2 C18.1 D1.K R14.2 TP2.1 U3.10 U5.4 U5.5
"CAN1 RX": R22.1 U1.57 U6.6
"CAN1 TX": R21.1 U1.58 U6.7
"CAN2 RX": R25.1 TP11.1 U1.33 U4.4
"CAN2 TX": R24.1 TP9.1 U1.34 U4.1
"CAN H": D2.2 J3.1 J4.1 J12.1 U6.2
"CAN L": D2.1 J3.2 J4.2 R23.1 U6.3
"CAN LED": DS7.1 DS8.1 J11.2
"CAN MAIN H": D3.2 J8.2 J8.8 J9.2 J9.8 J14.1 TP8.1 U4.7
"CAN MAIN L": D3.1 J8.1 J8.7 J9.1 J9.7 R26.1 TP10.1 U4.6
"CAN MAIN LBK": J15.2 U4.5
"CAN MAIN LED": DS9.1 DS10.1 J13.2
"CAN MAIN RX LED": DS10.2 R25.2
"CAN MAIN TX LED": DS9.2 R24.2
"CAN RX LED": DS8.2 R22.2
"CAN TX LED": DS7.2 R21.2
CLMODE: R15.2 U3.4
FLAG: DS4.2 U3.6
GND: C1.1 C2.1 C3.1 C4.1 C5.1 C6.1 C7.1 C8.1 C9.1 C10.1 C11.1 C12.1 C14.1 C15.1 C18.2 C19.1 D1.A D3.3 D4.A DS5.2 DS6.2 DS11.2 J7.3 J7.5 J7.9 J8.3 J8.6 J8.9 J8.12 J9.3 J9.6 J9.9 J9.12 J10.4 P1.3 R1.1 R15.1 R16.1 R17.1 R18.1 R29.1 SD1.6 SD1.8 SD1.9 SD1.10 SD1.11 SD1.12 SW1.1 TP3.1 U1.6 U1.12 U1.18 U1.31 U1.47 U1.63 U2.2 U3.9 U3.11 U4.2 U4.8 U5.2 U6.5
  other v1: 1814.96,4385.83 1814.96,4385.83 1866.14,4385.83 1814.96,4444.88 1811.02,4503.94 1862.2,4519.69
"GND INV_A": C20_A.1 IC2_A.4 IC2_A.8 IC2_A.12 IC2_A.13 IC2_A.14 IC2_A.15 J5.8 J6.5
"GND INV_B": C20_B.1 IC2_B.4 IC2_B.8 IC2_B.12 IC2_B.13 IC2_B.14 IC2_B.15 J1.8 J2.5
"GND ISO": C13.1 D2.3 U6.4
H1_A: IC2_A.3 J6.2
H1_B: IC2_B.3 J2.2
H2_A: IC2_A.5 J6.3
H2_B: IC2_B.5 J2.3
H3_A: IC2_A.11 J6.4
H3_B: IC2_B.11 J2.4
"HALL 1A_A": IC2_A.2 J5.2 R30_A.1
"HALL 1A_B": IC2_B.2 J1.2 R30_B.1
"HALL 1B_A": IC2_A.1 J5.3 R30_A.2
"HALL 1B_B": IC2_B.1 J1.3 R30_B.2
"HALL 2A_A": IC2_A.6 J5.4 R31_A.1
"HALL 2A_B": IC2_B.6 J1.4 R31_B.1
"HALL 2B_A": IC2_A.7 J5.5 R31_A.2
"HALL 2B_B": IC2_B.7 J1.5 R31_B.2
"HALL 3A_A": IC2_A.10 J5.6 R32_A.1
"HALL 3A_B": IC2_B.10 J1.6 R32_B.1
"HALL 3B_A": IC2_A.9 J5.7 R32_A.2 | length 316.5
  Top Layer w10: IC2_A.9 3489.17,1651.77 3514.57,1677.17 J5.7@3778.39,1677.17
"HALL 3B_B": IC2_B.9 J1.7 R32_B.2
NetDS1_1: DS1.1 R3.1
NetDS2_1: DS2.1 R4.1
NetDS3_1: DS3.1 R9.1
NetDS4_1: DS4.1 R10.1
NetDS5_1: DS5.1 R11.1
NetDS6_1: DS6.1 R14.1
NetDS11_1: DS11.1 R28.1
NetJ10_2: J10.2 R19.1
NetJ10_3: J10.3 R20.1
NetJ12_2: J12.2 R23.2
NetJ14_2: J14.2 R26.2
NetR1_2: R1.2 U1.60
NRST: C7.2 J7.10 R2.1 SW1.2 U1.7
"ORANGE LED 1": DS1.2 U1.35
"ORANGE LED 2": DS2.2 U1.36
"OSC IN": U1.5 U2.3
OVLO: R13.1 R17.2 U3.3
"PWR CB 3V3": C16.1 C17.1 U5.1
"PWR FB 3V3": R27.1 R29.2 TP14.1 U5.3
"PWR SW 3V3": C16.2 C17.2 D4.K L1.1 TP13.1 U5.6
"SD CS": R5.1 R5.2 SD1.2 U1.24
"SD DI": R6.1 R6.2 SD1.3 U1.23
"SD DO": R8.1 R8.2 SD1.7 U1.22
"SD SCLK": R7.1 R7.2 SD1.5 U1.21
SETI: R18.2 U3.8
SWCLK: J7.4 U1.49
SWDIO: J7.2 U1.46
"USART 1_RX": P1.2 U1.43
"USART 1_TX": P1.1 U1.42
"USB DM": R20.2 U1.44
"USB DP": R19.2 U1.45
UVLO: R12.1 R16.2 U3.2
UVOV: DS3.2 U3.7
VUSB: J10.1
pads on no net: FID1.1 FID2.1 FID3.1 FID4.1 J1.M J2.M J3.M J4.M J5.M J6.M J7.6 J7.7 J7.8 J8.NC J9.NC J10.M U1.2 U1.3 U1.4 U1.8 U1.9 U1.10 U1.11 U1.14 U1.15 U1.16 U1.17 U1.20 U1.25 U1.26 U1.27 U1.28 U1.29 U1.30 U1.37 U1.38 U1.39 U1.40 U1.41 U1.50 U1.51 U1.52 U1.53 U1.54 U1.55 U1.56 U1.59 U1.61 U1.62 U3.5
copper on no net: | length 43.3
  Top Layer w10: 2716.54,5716.54 2759.84,5716.54

## Polygon pours and split planes (outlines as drawn)
no net on Top Solder "NONET_L01_P000" (solid, pour order 0): 3255.91,4074.8 3692.91,4074.8 3692.91,3937.01 3255.91,3937.01
no net on Bottom Solder "NONET_L01_P000" (solid): 3255.91,4074.8 3692.91,4074.8 3692.91,3937.01 3255.91,3937.01
GND on Top Layer "GND_L01_P001" (solid, pour order 1): 2007.87,4547.24 2007.87,4350.39 1779.53,4350.39 1779.53,4547.24

## Silkscreen, mask and mechanical layers (free items; w line width, h text height)
Top Overlay:
  text "CAN H" at 2234.25,4036.28 h78.74
  text "CAN L" at 2234.25,3908.33 h78.74
  text "CAN RX" at 2234.25,3790.21 h78.74
  text "CAN TX" at 2234.25,3681.95 h78.74
  text "CAN RX" at 2039.37,3589.04 h39.37
  text "CAN TX" at 2039.37,3518.18 h39.37
  text "CAN TX" at 2133.86,3427.63 h39.37

## Text inside footprints (layer, text, board x,y; h text height)
J1: Top Overlay "1" at 3906.57,5616.06 h40 r270; Top Overlay "8" at 3897.72,4986.14 h40 r270; Top Overlay "PH x8 SMD" at 4050.2,5077.68 h40 r90
J2: Top Overlay "5" at 3686.1,4300.12 h40 r270; Top Overlay "1" at 3685.96,4773.07 h40 r270; Top Overlay "PH x5 COMB" at 4042.23,4365.78 h40 r90; Top Overlay "5" at 3891.81,4347.36 h40 r270; Top Overlay "1" at 3894.06,4762.68 h40 r270
J3: Top Overlay "1" at 3894.88,3656.38 h40 r270; Top Overlay "2" at 3893.62,3469.41 h40 r270; Top Overlay "PH x4 COMB" at 4044.04,3452.13 h19.68 r90; Top Overlay "1" at 3705.63,3727.28 h40 r270; Top Overlay "2" at 3705.63,3413.31 h40 r270
J4: Top Overlay "1" at 3883.17,3245.12 h40 r270; Top Overlay "2" at 3881.91,3058.15 h40 r270; Top Overlay "PH x4 COMB" at 4032.33,3040.87 h19.68 r90; Top Overlay "1" at 3693.92,3316.03 h40 r270; Top Overlay "2" at 3693.92,3002.05 h40 r270
J5: Top Overlay "1" at 3911.34,2202.68 h40 r270; Top Overlay "8" at 3902.48,1572.76 h40 r270; Top Overlay "PH x8 SMD" at 4054.96,1664.3 h40 r90
J6: Top Overlay "5" at 3690.87,2382.8 h40 r270; Top Overlay "1" at 3690.72,2855.74 h40 r270; Top Overlay "PH x5 COMB" at 4046.99,2448.46 h40 r90; Top Overlay "5" at 3896.58,2430.04 h40 r270; Top Overlay "1" at 3898.82,2845.35 h40 r270
J8: Top Overlay "1" at 1348.58,5040.51 h60 r270; Top Overlay "7" at 1210.78,5048.38 h60 r270; Top Overlay "6" at 1352.52,4182.24 h60 r270; Top Overlay "12" at 1210.79,4205.86 h60 r270
J9: Top Overlay "12" at 1210.79,2560.87 h60 r270; Top Overlay "6" at 1352.52,2537.24 h60 r270; Top Overlay "7" at 1210.79,3403.39 h60 r270; Top Overlay "1" at 1348.58,3395.51 h60 r270
J10: Top Overlay "1" at 1109.06,1568.03 h40 r90; Top Overlay "4" at 1114.06,1903.03 h40 r90; Top Overlay "PH x4 COMB" at 960.05,1890.7 h29.53 r270; Top Overlay "1" at 1317.15,1557.64 h40 r90; Top Overlay "4" at 1317.55,1909.79 h40 r90
U1: Top Overlay "LQFP64" at 2046.32,3128.63 h60 r225; Top Overlay "105RC" at 2129.84,3045.11 h60 r225; Top Overlay "STM32F" at 2188.3,2986.65 h60 r225